# Altium PCB DeutschPCB.PcbDoc (part 1 of 2) (continued)
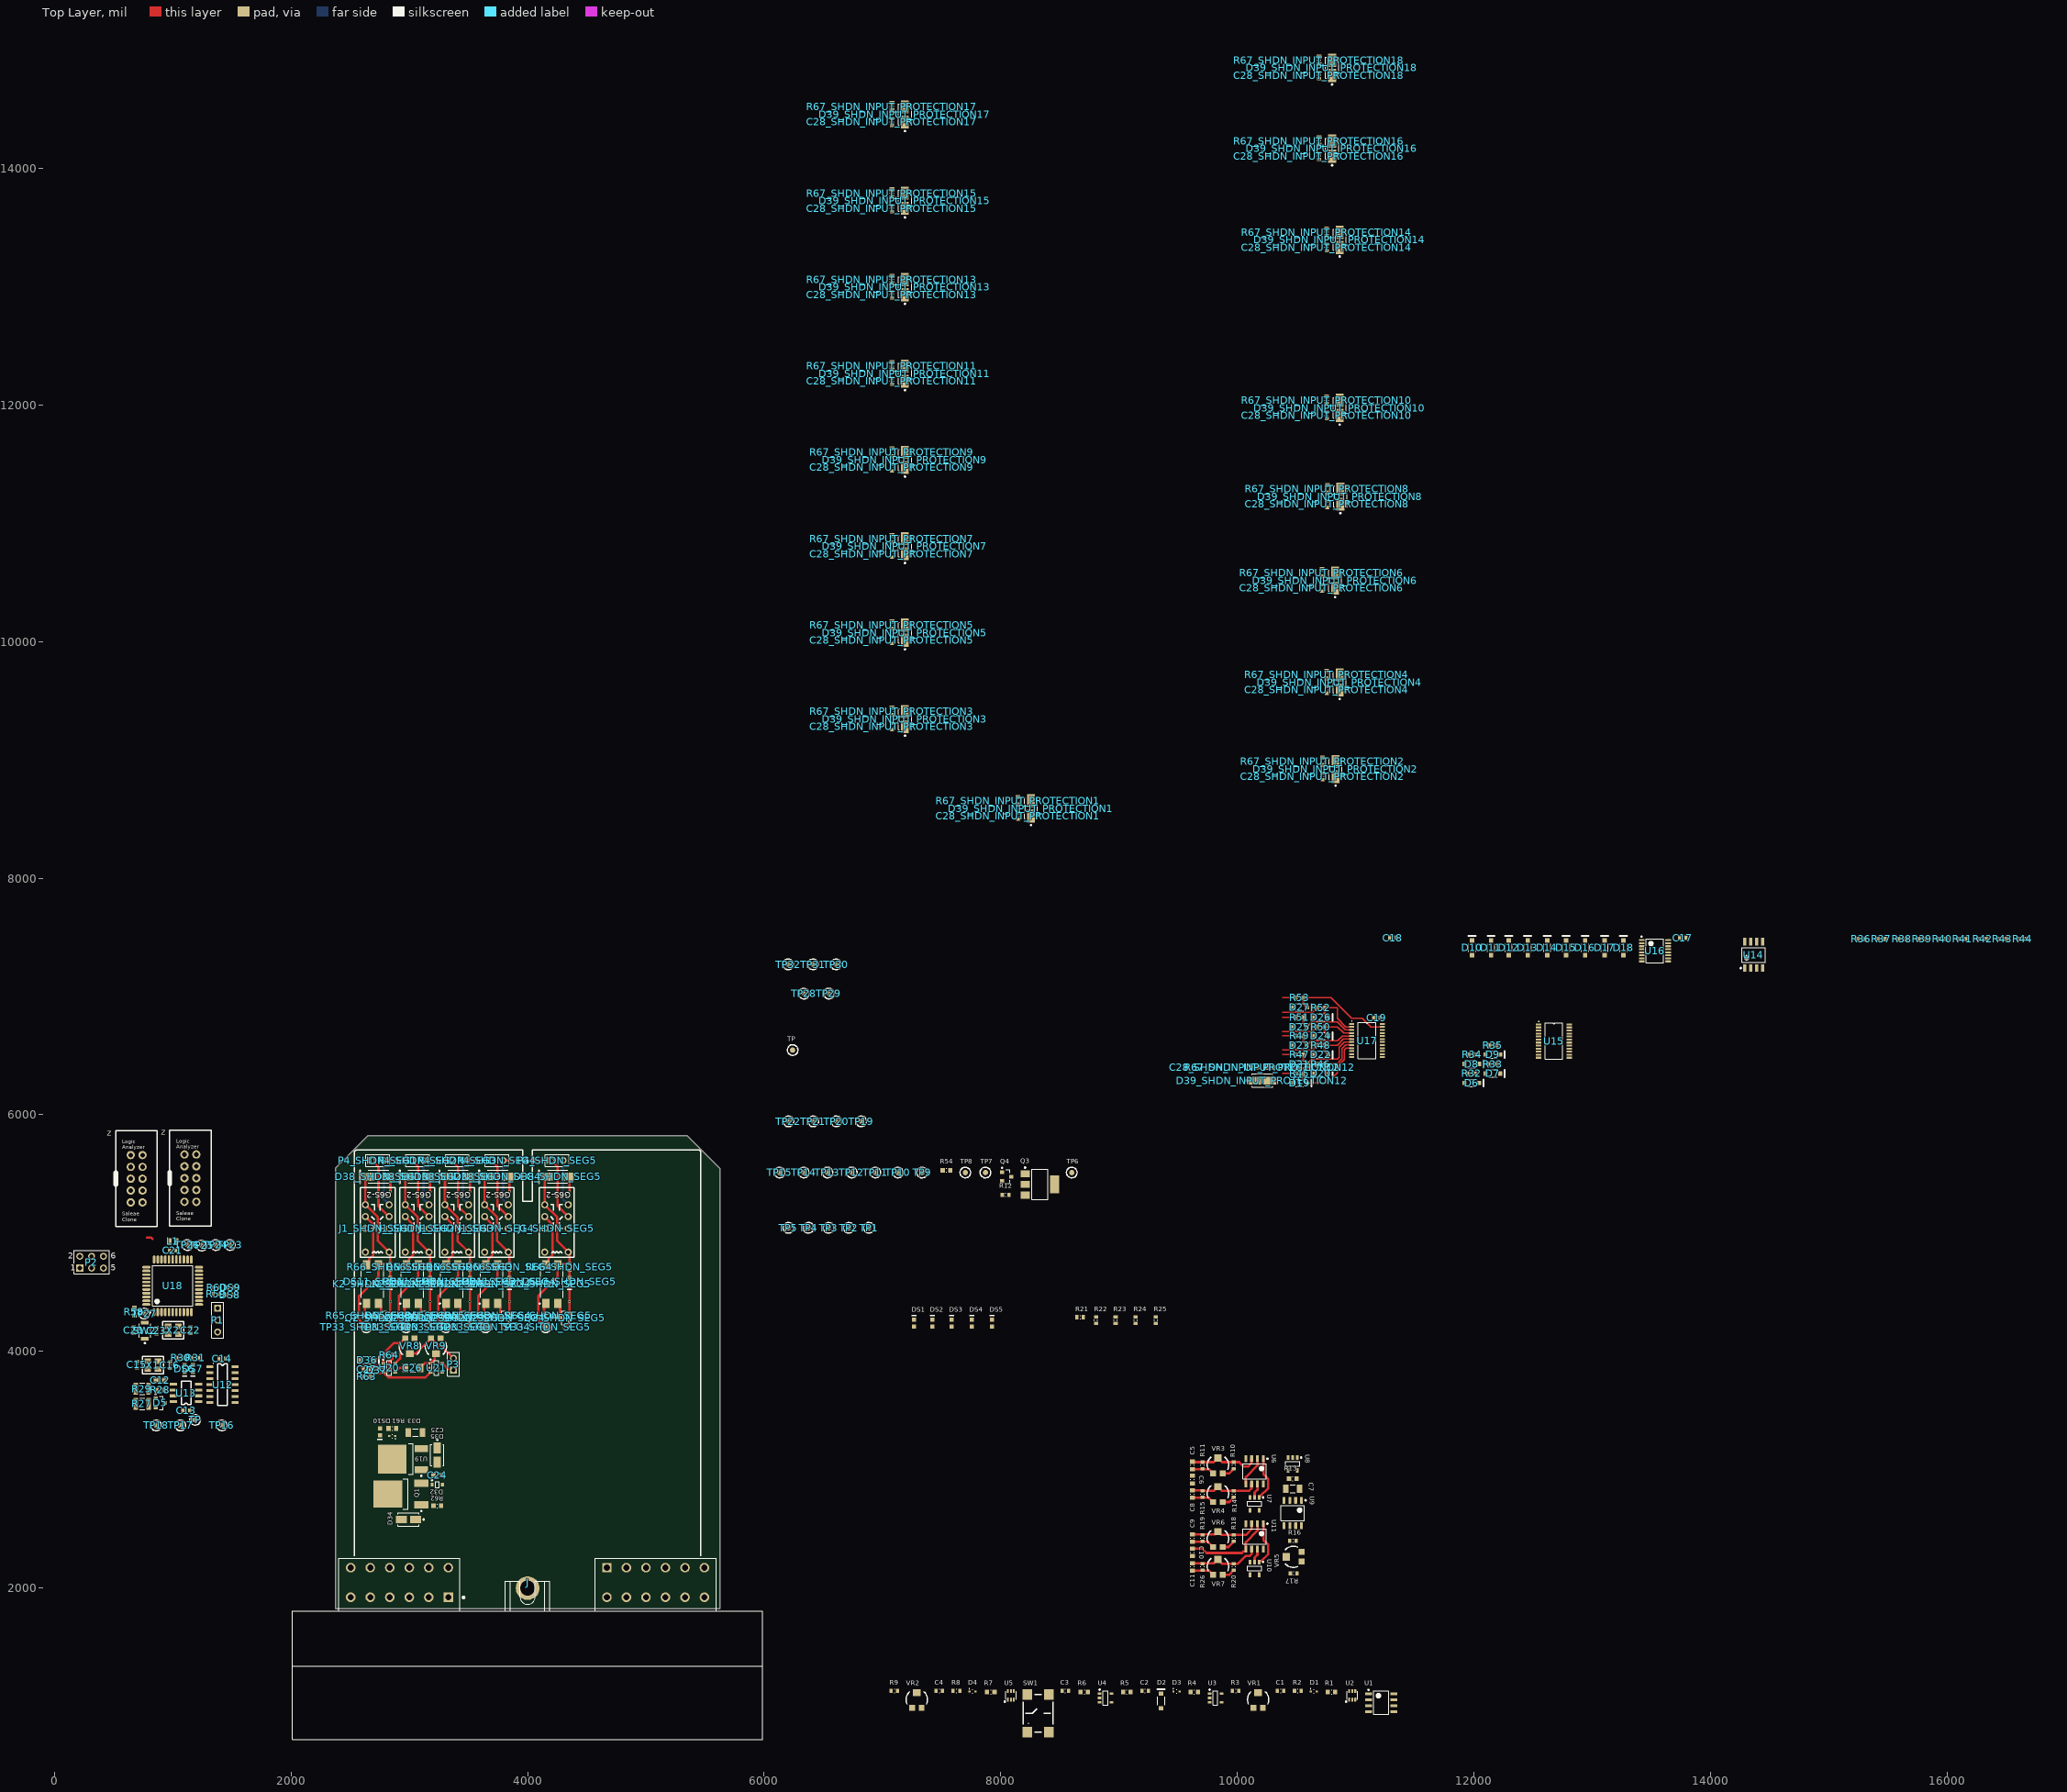
[diagram p0: Top Layer view]
## Components (designator, comment, footprint, x,y, rotation, side; value= is the part's Value field where it differs from the comment) (continued)
C28_SHDN_INPUT_PROTECTION15 "CAP 100nF 50V 0603(1608)" CAPC0603(1608)100_L 7080,13661.02 r270 top value=100nF (schematic designator C28)
C28_SHDN_INPUT_PROTECTION16 "CAP 100nF 50V 0603(1608)" CAPC0603(1608)100_L 10690,14102.05 r270 top value=100nF (schematic designator C28)
C28_SHDN_INPUT_PROTECTION17 "CAP 100nF 50V 0603(1608)" CAPC0603(1608)100_L 7080,14391.02 r270 top value=100nF (schematic designator C28)
C28_SHDN_INPUT_PROTECTION18 "CAP 100nF 50V 0603(1608)" CAPC0603(1608)100_L 10690,14785 r270 top value=100nF (schematic designator C28)
D1 "ESD5Z5.0T1G" ONSC-SOD-523-2-502-01_V 10645,1127.01 r0 top
D2 "BZT52C5V1-7-F" DIOD-SOD123_V 9355,1047.01 r90 top
D3 "ESD5Z5.0T1G" ONSC-SOD-523-2-502-01_V 9485,1127.01 r0 top
D4 "ESD5Z5.0T1G" ONSC-SOD-523-2-502-01_V 7760,1127.01 r0 top
D5 "NUP2105LT1G" ONSC-SOT-23-3-318-08_V 895,3565 r0 top
D6 "BZT52C5V1-7-F" DIOD-SOD123_V 11980,6269.13 r0 top
D7 "BZT52C5V1-7-F" DIOD-SOD123_V 12160,6350 r0 top
D8 "BZT52C5V1-7-F" DIOD-SOD123_V 11980,6429.13 r0 top
D9 "BZT52C5V1-7-F" DIOD-SOD123_V 12160,6510 r0 top
D10 "BZT52C5V1-7-F" DIOD-SOD123_V 11983.66,7411.5 r90 top
D11 "BZT52C5V1-7-F" DIOD-SOD123_V 12143.66,7411.5 r90 top
D12 "BZT52C5V1-7-F" DIOD-SOD123_V 12293.66,7411.5 r90 top
D13 "BZT52C5V1-7-F" DIOD-SOD123_V 12453.66,7411.5 r90 top
D14 "BZT52C5V1-7-F" DIOD-SOD123_V 12618.66,7411.5 r90 top
D15 "BZT52C5V1-7-F" DIOD-SOD123_V 12778.66,7411.5 r90 top
D16 "BZT52C5V1-7-F" DIOD-SOD123_V 12938.66,7411.5 r90 top
D17 "BZT52C5V1-7-F" DIOD-SOD123_V 13103.66,7411.5 r90 top
D18 "BZT52C5V1-7-F" DIOD-SOD123_V 13263.66,7411.5 r90 top
D19 "BZT52C5V1-7-F" DIOD-SOD123_V 10525.16,6269.13 r0 top
D20 "BZT52C5V1-7-F" DIOD-SOD123_V 10705,6349.13 r0 top
D21 "BZT52C5V1-7-F" DIOD-SOD123_V 10525.16,6429.13 r0 top
D22 "BZT52C5V1-7-F" DIOD-SOD123_V 10705.16,6509.13 r0 top
D23 "BZT52C5V1-7-F" DIOD-SOD123_V 10525.16,6589.13 r0 top
D24 "BZT52C5V1-7-F" DIOD-SOD123_V 10705.16,6667.09 r0 top
D25 "BZT52C5V1-7-F" DIOD-SOD123_V 10525.16,6744.13 r0 top
D26 "BZT52C5V1-7-F" DIOD-SOD123_V 10705.16,6824.13 r0 top
D27 "BZT52C5V1-7-F" DIOD-SOD123_V 10525.16,6909.13 r0 top
D32 "MM3Z10VT1G" ONSC-SOD-323-2-477-02_V 3236.26,2875.16 r0 top
D33 "ESD5Z5.0T1G" ONSC-SOD-523-2-502-01_V 2856.26,3285 r180 top
D34 "SMAJ18CA-E3/61" VISH-DO-214AC-2_N 2992.2,2580 r180 top
D35 "SMAJ18CA-E3/61" VISH-DO-214AC-2_N 3236.26,3125 r270 top
D36 "BZT52C5V1-7-F" DIOD-SOD123_V 2644.45,3926.65 r0 top
D37 "ESD5Z5.0T1G" ONSC-SOD-523-2-502-01_V 2724.45,3841.65 r270 top
D38_SHDN_SEG1 "S1M" FAIR-DO-214AC-2_V 2739.37,5477.44 r180 top (schematic designator D38)
D38_SHDN_SEG2 "S1M" FAIR-DO-214AC-2_V 3075.98,5477.44 r180 top (schematic designator D38)
D38_SHDN_SEG3 "S1M" FAIR-DO-214AC-2_V 3411.26,5477.44 r180 top (schematic designator D38)
D38_SHDN_SEG4 "S1M" FAIR-DO-214AC-2_V 3746.81,5477.44 r180 top (schematic designator D38)
D38_SHDN_SEG5 "S1M" FAIR-DO-214AC-2_V 4254.37,5477.44 r180 top (schematic designator D38)
D39_SHDN_INPUT_PROTECTION1 "SMAJ18CA-E3/61" VISH-DO-214AC-2_M 8255,8590 r90 top (schematic designator D39)
D39_SHDN_INPUT_PROTECTION2 "SMAJ18CA-E3/61" VISH-DO-214AC-2_M 10830,8922.56 r90 top (schematic designator D39)
D39_SHDN_INPUT_PROTECTION3 "SMAJ18CA-E3/61" VISH-DO-214AC-2_M 7190,9345 r90 top (schematic designator D39)
D39_SHDN_INPUT_PROTECTION4 "SMAJ18CA-E3/61" VISH-DO-214AC-2_M 10865,9655 r90 top (schematic designator D39)
D39_SHDN_INPUT_PROTECTION5 "SMAJ18CA-E3/61" VISH-DO-214AC-2_M 7190,10075 r90 top (schematic designator D39)
D39_SHDN_INPUT_PROTECTION6 "SMAJ18CA-E3/61" VISH-DO-214AC-2_M 10825,10516.02 r90 top (schematic designator D39)
D39_SHDN_INPUT_PROTECTION7 "SMAJ18CA-E3/61" VISH-DO-214AC-2_M 7190,10805 r90 top (schematic designator D39)
D39_SHDN_INPUT_PROTECTION8 "SMAJ18CA-E3/61" VISH-DO-214AC-2_M 10870,11225 r90 top (schematic designator D39)
D39_SHDN_INPUT_PROTECTION9 "SMAJ18CA-E3/61" VISH-DO-214AC-2_M 7190,11535 r90 top (schematic designator D39)
D39_SHDN_INPUT_PROTECTION10 "SMAJ18CA-E3/61" VISH-DO-214AC-2_M 10865,11975 r90 top (schematic designator D39)
D39_SHDN_INPUT_PROTECTION11 "SMAJ18CA-E3/61" VISH-DO-214AC-2_M 7190,12265 r90 top (schematic designator D39)
D39_SHDN_INPUT_PROTECTION12 "SMAJ18CA-E3/61" VISH-DO-214AC-2_M 10211.02,6290 r0 top (schematic designator D39)
D39_SHDN_INPUT_PROTECTION13 "SMAJ18CA-E3/61" VISH-DO-214AC-2_M 7190,12995 r90 top (schematic designator D39)
D39_SHDN_INPUT_PROTECTION14 "SMAJ18CA-E3/61" VISH-DO-214AC-2_M 10865,13395 r90 top (schematic designator D39)
D39_SHDN_INPUT_PROTECTION15 "SMAJ18CA-E3/61" VISH-DO-214AC-2_M 7190,13725 r90 top (schematic designator D39)
D39_SHDN_INPUT_PROTECTION16 "SMAJ18CA-E3/61" VISH-DO-214AC-2_M 10800,14166.02 r90 top (schematic designator D39)
D39_SHDN_INPUT_PROTECTION17 "SMAJ18CA-E3/61" VISH-DO-214AC-2_M 7190,14455 r90 top (schematic designator D39)
D39_SHDN_INPUT_PROTECTION18 "SMAJ18CA-E3/61" VISH-DO-214AC-2_M 10800,14848.98 r90 top (schematic designator D39)
DS1 "LED Red 0603" "LED RED 0603" 7265,4239.84 r90 top
DS2 "LED Red 0603" "LED RED 0603" 7420,4239.84 r90 top
DS3 "LED Red 0603" "LED RED 0603" 7585,4239.84 r90 top
DS4 "LED Red 0603" "LED RED 0603" 7755,4239.84 r90 top
DS5 "LED Red 0603" "LED RED 0603" 7925,4239.84 r90 top
DS6 "LED Blue 0603" "LED BLUE 0603" 1100,3855 r270 top
DS7 "LED Blue 0603" "LED BLUE 0603" 1170,3855 r270 top
DS8 "LED Orange 0603" "LED ORANGE 0603" 1485,4480 r0 top
DS9 "LED Orange 0603" "LED ORANGE 0603" 1490,4540 r0 top
DS10 "LED Green 0603" "LED GREEN 0603" 2751.26,3320 r270 top
DS11_SHDN_SEG1 "LED Orange 0603" "LED ORANGE 0603" 2839.37,4590 r270 top (schematic designator DS11)
DS11_SHDN_SEG2 "LED Orange 0603" "LED ORANGE 0603" 3175.98,4590 r270 top (schematic designator DS11)
DS11_SHDN_SEG3 "LED Orange 0603" "LED ORANGE 0603" 3511.26,4590 r270 top (schematic designator DS11)
DS11_SHDN_SEG4 "LED Orange 0603" "LED ORANGE 0603" 3846.81,4590 r270 top (schematic designator DS11)
DS11_SHDN_SEG5 "LED Orange 0603" "LED ORANGE 0603" 4354.37,4590 r270 top (schematic designator DS11)
J "DTM1312PA12PBR008" TE_DTM1312PA12PBR008 4000,2000 r0 top
J1_SHDN_SEG1 "G6S-2-DC12" G6S-2 2729.37,5090 r90 top (schematic designator J1)
J1_SHDN_SEG2 "G6S-2-DC12" G6S-2 3065.98,5090 r90 top (schematic designator J1)
J1_SHDN_SEG3 "G6S-2-DC12" G6S-2 3401.26,5090 r90 top (schematic designator J1)
J1_SHDN_SEG4 "G6S-2-DC12" G6S-2 3736.81,5090 r90 top (schematic designator J1)
J1_SHDN_SEG5 "G6S-2-DC12" G6S-2 4244.37,5090 r90 top (schematic designator J1)
K2_SHDN_SEG1 "AQY212EHA" PNSC-DIP4(SMT)_V 2689.37,4570 r90 top (schematic designator K2)
K2_SHDN_SEG2 "AQY212EHA" PNSC-DIP4(SMT)_V 3025.98,4570 r90 top (schematic designator K2)
K2_SHDN_SEG3 "AQY212EHA" PNSC-DIP4(SMT)_V 3361.26,4570 r90 top (schematic designator K2)
K2_SHDN_SEG4 "AQY212EHA" PNSC-DIP4(SMT)_V 3696.81,4570 r90 top (schematic designator K2)
K2_SHDN_SEG5 "AQY212EHA" PNSC-DIP4(SMT)_V 4204.37,4570 r90 top (schematic designator K2)
L1 "LQM21FN100M70L" MURA-IND0805_L 1000,4930 r180 top
P1 "Header 3" HDR1X3 1380,4365 r270 top
P2 "Header 3X2" HDR2X3 215,4705 r0 top
P3 "Header 2" HDR1X2 3374.45,3841.65 r90 top
P4_SHDN_SEG1 "Header 2" HDR1X2 2684.37,5615 r0 top (schematic designator P4)
P4_SHDN_SEG2 "Header 2" HDR1X2 3020.98,5615 r0 top (schematic designator P4)
P4_SHDN_SEG3 "Header 2" HDR1X2 3356.26,5615 r0 top (schematic designator P4)
P4_SHDN_SEG4 "Header 2" HDR1X2 3691.81,5615 r0 top (schematic designator P4)
P4_SHDN_SEG5 "Header 2" HDR1X2 4199.37,5615 r0 top (schematic designator P4)
Q1 "STD35P6LLF6" ONSC-DPAK-3-369C-01_V 2928.03,2795.16 r180 top
Q2_SHDN_SEG1 "NVR5198NLT1G" ONSC-SOT-23-3-318-08_V 2799.37,4285 r180 top (schematic designator Q2)
Q2_SHDN_SEG2 "NVR5198NLT1G" ONSC-SOT-23-3-318-08_V 3135.98,4285 r180 top (schematic designator Q2)
Q2_SHDN_SEG3 "NVR5198NLT1G" ONSC-SOT-23-3-318-08_V 3471.26,4285 r180 top (schematic designator Q2)
Q2_SHDN_SEG4 "NVR5198NLT1G" ONSC-SOT-23-3-318-08_V 3806.81,4285 r180 top (schematic designator Q2)
Q2_SHDN_SEG5 "NVR5198NLT1G" ONSC-SOT-23-3-318-08_V 4314.37,4285 r180 top (schematic designator Q2)
Q3 "NTF2955T1G" ONSC-SOT-223-4-318E-04_V 8330,5412.28 r0 top
Q4 "NVR5198NLT1G" ONSC-SOT-23-3-318-08_V 8050,5477.28 r0 top
R1 "4K7 5% 0603(1608)" RESC0603(1608)_N 10795,1122.01 r0 top value="4700.00 Ohm"
R2 "DNP" RESC0603(1608)_L 10510,1132.01 r0 top
R3 "DNP" RESC0603(1608)_L 9985,1132.01 r0 top
R4 "10K 5% 0603(1608)" RESC0603(1608)_N 9635,1122.01 r0 top value="10000.00 Ohm"
R5 "4K7 5% 0603(1608)" RESC0603(1608)_N 9065,1122.01 r0 top value="4700.00 Ohm"
R6 "4K7 5% 0603(1608)" RESC0603(1608)_N 8705,1122.01 r0 top value="4700.00 Ohm"
R7 "4K7 5% 0603(1608)" RESC0603(1608)_N 7915,1122.01 r0 top value="4700.00 Ohm"
R8 "DNP" RESC0603(1608)_L 7625,1132.01 r0 top
R9 "DNP" RESC0603(1608)_L 7100,1132.01 r0 top
R10 "DNP" RESC0603(1608)_L 9970,3037.28 r270 top
R11 "DNP" RESC0603(1608)_L 9705,3037.28 r90 top
R12 "1K 5% 0603(1608)" RESC0603(1608)_L 8040,5325 r0 top value="1000.00 Ohm"
R13 "68K 5% 0603(1608)" RESC0603(1608)_N 10467.28,2925 r0 top value="68000.00 Ohm"
R14 "DNP" RESC0603(1608)_L 9970,2794.78 r270 top
R15 "DNP" RESC0603(1608)_L 9705,2794.78 r90 top
R16 "DNP" RESC0603(1608)_L 10470,2400 r0 top
R17 "DNP" RESC0603(1608)_L 10475,2125 r180 top
R18 "DNP" RESC0603(1608)_L 9970,2422.28 r270 top
R19 "DNP" RESC0603(1608)_L 9705,2422.28 r90 top
R20 "DNP" RESC0603(1608)_L 9970,2179.78 r270 top
R21 "1K 5% 0603(1608)" RESC0603(1608)_L 8670,4289.84 r0 top value="1000.00 Ohm"
R22 "1K 5% 0603(1608)" RESC0603(1608)_L 8805,4264.84 r90 top value="1000.00 Ohm"
R23 "1K 5% 0603(1608)" RESC0603(1608)_L 8970,4264.84 r90 top value="1000.00 Ohm"
R24 "1K 5% 0603(1608)" RESC0603(1608)_L 9140,4264.84 r90 top value="1000.00 Ohm"
R25 "1K 5% 0603(1608)" RESC0603(1608)_L 9310,4264.84 r90 top value="1000.00 Ohm"
R26 "DNP" RESC0603(1608)_L 9705,2179.78 r90 top
R27 "60R4 1% 1210(3225)" RESC1210(3225)_L 742.01,3557.6 r180 top value="60.40 Ohm"
R28 "300R 5% 0603(1608)" RESC0603(1608)_N 895,3675 r180 top value="300.00 Ohm"
R29 "60R4 1% 1210(3225)" RESC1210(3225)_L 742.01,3685 r0 top value="60.40 Ohm"
R30 "1K 5% 0603(1608)" RESC0603(1608)_L 1070,3945 r180 top value="1000.00 Ohm"
R31 "1K 5% 0603(1608)" RESC0603(1608)_L 1195,3945 r0 top value="1000.00 Ohm"
R32 "10K" RESC0603(1608)_N 11980,6349.13 r0 top value="10000.00 Ohm"
R33 "10K" RESC0603(1608)_N 12160,6429.13 r0 top value="10000.00 Ohm"
R34 "10K" RESC0603(1608)_N 11985,6508.23 r0 top value="10000.00 Ohm"
R35 "10K" RESC0603(1608)_N 12160,6587.36 r0 top value="10000.00 Ohm"
R36 "10K" RESC0603(1608)_N 15273.66,7486.5 r0 top value="10000.00 Ohm"
R37 "10K" RESC0603(1608)_N 15443.66,7486.5 r0 top value="10000.00 Ohm"
R38 "10K" RESC0603(1608)_N 15618.66,7486.5 r0 top value="10000.00 Ohm"
R39 "10K" RESC0603(1608)_N 15788.66,7486.5 r0 top value="10000.00 Ohm"
R40 "10K" RESC0603(1608)_N 15958.66,7486.5 r0 top value="10000.00 Ohm"
R41 "10K" RESC0603(1608)_N 16128.66,7486.5 r0 top value="10000.00 Ohm"
R42 "10K" RESC0603(1608)_N 16298.66,7486.5 r0 top value="10000.00 Ohm"
R43 "10K" RESC0603(1608)_N 16468.66,7486.5 r0 top value="10000.00 Ohm"
R44 "10K" RESC0603(1608)_N 16638.66,7486.5 r0 top value="10000.00 Ohm"
R45 "10K" RESC0603(1608)_N 10525.16,6349.13 r0 top value="10000.00 Ohm"
R46 "10K" RESC0603(1608)_N 10705,6429.13 r0 top value="10000.00 Ohm"
R47 "10K" RESC0603(1608)_N 10525.16,6509.13 r0 top value="10000.00 Ohm"
R48 "10K" RESC0603(1608)_N 10705.16,6589.13 r0 top value="10000.00 Ohm"
R49 "10K" RESC0603(1608)_N 10525.16,6667.09 r0 top value="10000.00 Ohm"
R50 "10K" RESC0603(1608)_N 10705.16,6744.13 r0 top value="10000.00 Ohm"
R51 "10K" RESC0603(1608)_N 10525.16,6824.13 r0 top value="10000.00 Ohm"
R52 "10K" RESC0603(1608)_N 10705.16,6904.13 r0 top value="10000.00 Ohm"
R53 "10K" RESC0603(1608)_N 10525.16,6989.13 r0 top value="10000.00 Ohm"
R54 "4K7 5% 0603(1608)" RESC0603(1608)_N 7540,5532.28 r0 top value="4700.00 Ohm"
R58 "10K 5% 0603(1608)" RESC0603(1608)_N 675,4336.5 r90 top value="10000.00 Ohm"
R59 "1K 5% 0603(1608)" RESC0603(1608)_L 1370,4485 r180 top value="1000.00 Ohm"
R60 "1K 5% 0603(1608)" RESC0603(1608)_L 1372.44,4540 r180 top value="1000.00 Ohm"
R61 "1K 5% 0603(1608)" RESC0603(1608)_N 2856.26,3350 r0 top value="1000.00 Ohm"
R62 "100K 5% 0603(1608)" RESC0603(1608)_N 3236.26,2695 r180 top value="100000.00 Ohm"
R63 "10K 5% 0603(1608)" RESC0603(1608)_N 2639.45,3786.65 r0 top value="10000.00 Ohm"
R64 "4K7 5% 0603(1608)" RESC0603(1608)_N 2829.45,3971.65 r180 top value="4700.00 Ohm"
R65_SHDN_SEG1 "2K7 5% 0603(1608)" RESC0603(1608)_M 2659.37,4305 r180 top value="2700.00 Ohm" (schematic designator R65)
R65_SHDN_SEG2 "2K7 5% 0603(1608)" RESC0603(1608)_M 2995.98,4305 r180 top value="2700.00 Ohm" (schematic designator R65)
R65_SHDN_SEG3 "2K7 5% 0603(1608)" RESC0603(1608)_M 3331.26,4305 r180 top value="2700.00 Ohm" (schematic designator R65)
R65_SHDN_SEG4 "2K7 5% 0603(1608)" RESC0603(1608)_M 3666.81,4305 r180 top value="2700.00 Ohm" (schematic designator R65)
R65_SHDN_SEG5 "2K7 5% 0603(1608)" RESC0603(1608)_M 4174.37,4305 r180 top value="2700.00 Ohm" (schematic designator R65)
R66_SHDN_SEG1 "1K 5% 0603(1608)" RESC0603(1608)_L 2839.37,4715 r90 top value="1000.00 Ohm" (schematic designator R66)
R66_SHDN_SEG2 "1K 5% 0603(1608)" RESC0603(1608)_L 3175.98,4715 r90 top value="1000.00 Ohm" (schematic designator R66)
R66_SHDN_SEG3 "1K 5% 0603(1608)" RESC0603(1608)_L 3511.26,4715 r90 top value="1000.00 Ohm" (schematic designator R66)
R66_SHDN_SEG4 "1K 5% 0603(1608)" RESC0603(1608)_L 3846.81,4715 r90 top value="1000.00 Ohm" (schematic designator R66)
R66_SHDN_SEG5 "1K 5% 0603(1608)" RESC0603(1608)_L 4354.37,4715 r90 top value="1000.00 Ohm" (schematic designator R66)
R67_SHDN_INPUT_PROTECTION1 "4K7 5% 0603(1608)" RESC0603(1608)_N 8145,8653.98 r270 top value="4700.00 Ohm" (schematic designator R67)
R67_SHDN_INPUT_PROTECTION2 "4K7 5% 0603(1608)" RESC0603(1608)_N 10720,8986.54 r270 top value="4700.00 Ohm" (schematic designator R67)
R67_SHDN_INPUT_PROTECTION3 "4K7 5% 0603(1608)" RESC0603(1608)_N 7080,9408.98 r270 top value="4700.00 Ohm" (schematic designator R67)
R67_SHDN_INPUT_PROTECTION4 "4K7 5% 0603(1608)" RESC0603(1608)_N 10755,9718.98 r270 top value="4700.00 Ohm" (schematic designator R67)
R67_SHDN_INPUT_PROTECTION5 "4K7 5% 0603(1608)" RESC0603(1608)_N 7080,10138.98 r270 top value="4700.00 Ohm" (schematic designator R67)
R67_SHDN_INPUT_PROTECTION6 "4K7 5% 0603(1608)" RESC0603(1608)_N 10715,10580 r270 top value="4700.00 Ohm" (schematic designator R67)
R67_SHDN_INPUT_PROTECTION7 "4K7 5% 0603(1608)" RESC0603(1608)_N 7080,10868.98 r270 top value="4700.00 Ohm" (schematic designator R67)
R67_SHDN_INPUT_PROTECTION8 "4K7 5% 0603(1608)" RESC0603(1608)_N 10760,11288.98 r270 top value="4700.00 Ohm" (schematic designator R67)
R67_SHDN_INPUT_PROTECTION9 "4K7 5% 0603(1608)" RESC0603(1608)_N 7080,11598.98 r270 top value="4700.00 Ohm" (schematic designator R67)
R67_SHDN_INPUT_PROTECTION10 "4K7 5% 0603(1608)" RESC0603(1608)_N 10755,12038.98 r270 top value="4700.00 Ohm" (schematic designator R67)
R67_SHDN_INPUT_PROTECTION11 "4K7 5% 0603(1608)" RESC0603(1608)_N 7080,12328.98 r270 top value="4700.00 Ohm" (schematic designator R67)
R67_SHDN_INPUT_PROTECTION12 "4K7 5% 0603(1608)" RESC0603(1608)_N 10275,6400 r180 top value="4700.00 Ohm" (schematic designator R67)
R67_SHDN_INPUT_PROTECTION13 "4K7 5% 0603(1608)" RESC0603(1608)_N 7080,13058.98 r270 top value="4700.00 Ohm" (schematic designator R67)
R67_SHDN_INPUT_PROTECTION14 "4K7 5% 0603(1608)" RESC0603(1608)_N 10755,13458.98 r270 top value="4700.00 Ohm" (schematic designator R67)
R67_SHDN_INPUT_PROTECTION15 "4K7 5% 0603(1608)" RESC0603(1608)_N 7080,13788.98 r270 top value="4700.00 Ohm" (schematic designator R67)
R67_SHDN_INPUT_PROTECTION16 "4K7 5% 0603(1608)" RESC0603(1608)_N 10690,14230 r270 top value="4700.00 Ohm" (schematic designator R67)
R67_SHDN_INPUT_PROTECTION17 "4K7 5% 0603(1608)" RESC0603(1608)_N 7080,14518.98 r270 top value="4700.00 Ohm" (schematic designator R67)
R67_SHDN_INPUT_PROTECTION18 "4K7 5% 0603(1608)" RESC0603(1608)_N 10690,14912.95 r270 top value="4700.00 Ohm" (schematic designator R67)
SW1 "Standard SMD BTN" StandardSMDBTN 8315,942.01 r90 top
SW2 "B3U-1000P" OMRON-B3U-1000_V 765,4175 r90 top
TP "TestPoint_SMD" TestPointSMD 6240,6547.28 r0 top
TP "TestPoint_SMD" TestPointSMD 1190,3422.28 r0 top
TP1 "TestPoint_SMD" TestPointSMD 6885,5045 r0 top
TP2 "TestPoint_SMD" TestPointSMD 6715,5045 r0 top
TP3 "TestPoint_SMD" TestPointSMD 6545,5045 r0 top
TP4 "TestPoint_SMD" TestPointSMD 6375,5045 r0 top
TP5 "TestPoint_SMD" TestPointSMD 6205,5045 r0 top
TP6 "TestPoint_SMD" TestPointSMD 8600,5512.28 r0 top
TP7 "TestPoint_SMD" TestPointSMD 7870,5512.28 r0 top
TP8 "TestPoint_SMD" TestPointSMD 7700,5512.28 r0 top
TP9 "TestPoint_SMD" TestPointSMD 7335,5512.28 r0 top
TP10 "TestPoint_SMD" TestPointSMD 7130,5512.28 r0 top
TP11 "TestPoint_SMD" TestPointSMD 6940,5512.28 r0 top
TP12 "TestPoint_SMD" TestPointSMD 6740,5512.28 r0 top
TP13 "TestPoint_SMD" TestPointSMD 6535,5512.28 r0 top
TP14 "TestPoint_SMD" TestPointSMD 6335,5512.28 r0 top
TP15 "TestPoint_SMD" TestPointSMD 6130,5512.28 r0 top
TP16 "TestPoint_SMD" TestPointSMD 1415,3375 r0 top
TP17 "TestPoint_SMD" TestPointSMD 1065,3375 r0 top
TP18 "TestPoint_SMD" TestPointSMD 860,3375 r0 top
TP19 "TestPoint_SMD" TestPointSMD 6820,5945 r0 top
TP20 "TestPoint_SMD" TestPointSMD 6610,5945 r0 top
TP21 "TestPoint_SMD" TestPointSMD 6415,5945 r0 top
TP22 "TestPoint_SMD" TestPointSMD 6205,5945 r0 top
TP23 "TestPoint_SMD" TestPointSMD 1485,4900 r90 top
TP24 "TestPoint_SMD" TestPointSMD 1365,4900 r90 top
TP25 "TestPoint_SMD" TestPointSMD 1245,4895 r90 top
TP26 "TestPoint_SMD" TestPointSMD 1125,4900 r90 top
TP27 "TestPoint_SMD" TestPointSMD 760,4320 r90 top
TP28 "TestPoint_SMD" TestPointSMD 6336.26,7025 r0 top
TP29 "TestPoint_SMD" TestPointSMD 6546.26,7025 r0 top
TP30 "TestPoint_SMD" TestPointSMD 6607.44,7271.65 r0 top
TP31 "TestPoint_SMD" TestPointSMD 6412.44,7271.65 r0 top
TP32 "TestPoint_SMD" TestPointSMD 6202.44,7271.65 r0 top
TP33_SHDN_SEG1 "TestPoint_SMD" TestPointSMD 2635,4205 r90 top (schematic designator TP33)
TP33_SHDN_SEG2 "TestPoint_SMD" TestPointSMD 2971.61,4205 r90 top (schematic designator TP33)
TP33_SHDN_SEG3 "TestPoint_SMD" TestPointSMD 3306.89,4205 r90 top (schematic designator TP33)
TP33_SHDN_SEG4 "TestPoint_SMD" TestPointSMD 3642.44,4205 r90 top (schematic designator TP33)
TP33_SHDN_SEG5 "TestPoint_SMD" TestPointSMD 4150,4205 r90 top (schematic designator TP33)
U1 "LM358AM" D0008A_N 11215,1032.01 r0 top
U2 "NC7SZ157P6X" FAIR-SC70-6_V 10945,1057.01 r0 top
U3 "SN74LVC1G17DBVR" DBV0005A_L 9815,1072.01 r0 top
U4 "SN74AHC1G14DBVR" DBV0005A_L 8885,1072.01 r0 top
U5 "NC7SZ157P6X" FAIR-SC70-6_V 8060,1057.01 r0 top
U6 "LM358AM" D0008A_N 10145,2987.13 r270 top
U7 "SN74AHC1G08DBVR" DBV0005A_N 10145.1,2712.28 r270 top
U8 "SN74AHC1G08DBVR" DBV0005A_N 10467.28,3050 r270 top
U9 "LM358AM" D0008A_N 10467.28,2635 r270 top
U10 "SN74AHC1G08DBVR" DBV0005A_N 10145.1,2166.94 r270 top
U11 "LM358AM" D0008A_N 10145,2437.28 r270 top
U12 "MCP2518FD" "MCP2517FD SOIC" 1315,3870 r0 top
U13 "MCP2561" "MCP2561 SOIC" 1220,3575 r180 top
U14 "LM358AM" D0008A_M 14363.66,7351.5 r90 top
U15 "74HC4067" "74HC4067 TSSOP24" 12545,6764.13 r0 top
U16 "SN74HC595PWR" PW0016A_L 13528.66,7386.5 r0 top
U17 "74HC4067" "74HC4067 TSSOP24" 10965.16,6768.54 r0 top
U18 "ATmega1284P-AU" 44A_N 1000,4555 r90 top
U19 "L78M05CDT" STM-TO252-3_A_V 2946.26,3090 r180 top
U20 "SN74AHC1G02DBVR" DBV0005A_L 2830.43,3861.65 r0 top
U21 "SN74AHC1G02DBVR" DBV0005A_L 3229.45,3861.65 r0 top
VR1 "4.7k Variable Resistor" VG039NCHXTB472 10175,1057.01 r0 top
VR2 "4.7k Variable Resistor" VG039NCHXTB472 7290,1057.01 r0 top
VR3 "4.7k Variable Resistor" VG039NCHXTB472 9835,3039.78 r0 top
VR4 "4.7k Variable Resistor" VG039NCHXTB472 9835,2797.28 r0 top
VR5 "4.7k Variable Resistor" VG039NCHXTB472 10472.72,2265 r90 top
VR6 "4.7k Variable Resistor" VG039NCHXTB472 9835,2417.28 r0 top
VR7 "4.7k Variable Resistor" VG039NCHXTB472 9835,2182.28 r0 top
VR8 "500k Variable Resistor" VG039NCHXTB472 3004.45,4041.65 r180 top
VR9 "4.7k Variable Resistor" VG039NCHXTB472 3224.45,4041.65 r180 top
X1 "XTAL_20Mz_3.2mm*2.5mm" 3.2mm*2.5mm 832.52,3885 r0 top
X2 "XTAL_16Mz_3.2mm*2.5mm" 3.2mm*2.5mm 1005,4180 r180 top
Z "LogicAnalyzerBreakOut" LogicAnalyzer 695,5460 r0 top
Z "LogicAnalyzerBreakOut" LogicAnalyzer 1150,5465 r0 top

## Footprints (in the part's own frame and the unit in brackets; to place one, negate y for a bottom-side part, rotate by r counter-clockwise, add the part's x,y. Pads: shape width x height; smd on the part's side, far side on the other; paste and mask are expansions set on the pad)
3.2mm*2.5mm [mm]
  rect 1.4x1.2 smd: 1(-1.1,-0.85) 2(1.1,-0.85) 3(1.1,0.85) 4(-1.1,0.85)
  silkscreen extent -2.29,-1.91 2.29,1.91, body extent -1.6,-1.25 1.6,1.25, height 0.8
44A_N [mm] "Thin QFP, 44-Leads, Body 10x10mm, Pitch 0.8mm, IPC Medium Density"
  oval 1.75x0.55 smd: 1(-5.65,4) 2(-5.65,3.2) 3(-5.65,2.4) 4(-5.65,1.6) 5(-5.65,0.8) 6(-5.65,0) 7(-5.65,-0.8) 8(-5.65,-1.6) 9(-5.65,-2.4) 10(-5.65,-3.2) 11(-5.65,-4) 23(5.65,-4) 24(5.65,-3.2) 25(5.65,-2.4) 26(5.65,-1.6) 27(5.65,-0.8) 28(5.65,0) 29(5.65,0.8) 30(5.65,1.6) 31(5.65,2.4) 32(5.65,3.2) 33(5.65,4)
  oval 0.55x1.75 smd: 12(-4,-5.65) 13(-3.2,-5.65) 14(-2.4,-5.65) 15(-1.6,-5.65) 16(-0.8,-5.65) 17(0,-5.65) 18(0.8,-5.65) 19(1.6,-5.65) 20(2.4,-5.65) 21(3.2,-5.65) 22(4,-5.65) 34(4,5.65) 35(3.2,5.65) 36(2.4,5.65) 37(1.6,5.65) 38(0.8,5.65) 39(0,5.65) 40(-0.8,5.65) 41(-1.6,5.65) 42(-2.4,5.65) 43(-3.2,5.65) 44(-4,5.65)
  silkscreen extent -5.77,-4.35 4.35,4.95, body extent -5,-5 5,5, height 1.2
"74HC4067 TSSOP24" [mil]
  rect 45x16 smd: 1(0,0) 2(0,-25.59) 3(0,-51.18) 4(0,-76.77) 5(0,-102.36) 6(0,-127.95) 7(0,-153.54) 8(0,-179.13) 9(0,-204.72) 10(0,-230.32) 11(0,-255.91) 12(0,-281.5) 13(259.84,-281.5) 14(259.84,-255.91) 15(259.84,-230.32) 16(259.84,-204.72) 17(259.84,-179.13) 18(259.84,-153.54) 19(259.84,-127.95) 20(259.84,-102.36) 21(259.84,-76.77) 22(259.84,-51.18) 23(259.84,-25.59) 24(259.84,0)
  silkscreen extent 0,-294 205,25, body extent 4,-295 256,12, height 41
CAPC0603(1608)100_L [mm] "Chip Capacitor, Body 1.6x0.8mm, Height 1.0mm, IPC High Density"
  rect 0.7x0.9 smd: 1(-0.7,0) 2(0.7,0)
  silkscreen extent -0.05,-0.35 0.05,0.35, body extent -0.87,-0.47 0.88,0.48, height 1
CAPC0603(1608)100_M [mm] "Chip Capacitor, Body 1.6x0.8mm, Height 1.0mm, IPC Low Density"
  rect 1.1x1.1 smd: 1(-0.9,0) 2(0.9,0)
  silkscreen extent -0.05,-0.45 0.05,0.45, body extent -0.87,-0.47 0.88,0.48, height 1
CAPC0603(1608)100_N [mm] "Chip Capacitor, Body 1.6x0.8mm, Height 1.0mm, IPC Medium Density"
  rect 0.9x1 smd: 1(-0.8,0) 2(0.8,0)
  silkscreen extent -0.05,-0.4 0.05,0.4, body extent -0.87,-0.48 0.88,0.47, height 1
CAPC1206(3216)190_M [mm] "Chip Capacitor, Body 3.2x1.6mm, Height 1.9mm, IPC Low Density"
  rect 1.35x1.9 smd: 1(-1.6,0) 2(1.6,0)
  silkscreen extent -0.55,-0.85 0.55,0.85, body extent -1.7,-0.9 1.7,0.9, height 1.9
CAPC1206(3216)190_N [mm] "Chip Capacitor, Body 3.2x1.6mm, Height 1.9mm, IPC Medium Density"
  rect 1.15x1.8 smd: 1(-1.5,0) 2(1.5,0)
  silkscreen extent -0.55,-0.8 0.55,0.8, body extent -1.7,-0.9 1.7,0.9, height 1.9
D0008A_M [mm] "SOIC, 8-Leads, Body 5x4mm, Pitch 1.27mm, IPC Low Density"
  rrect15% 1.65x0.65 smd: 1(-2.825,1.905) 2(-2.825,0.635) 3(-2.825,-0.635) 4(-2.825,-1.905) 5(2.825,-1.905) 6(2.825,-0.635) 7(2.825,0.635) 8(2.825,1.905)
  silkscreen extent -2.95,-2.5 1.6,2.9, body extent -3,-2.45 3,2.45, height 1.63
D0008A_N [mm] "SOIC, 8-Leads, Body 5x4mm, Pitch 1.27mm, IPC Medium Density"
  rrect17% 1.45x0.6 smd: 1(-2.725,1.905) 2(-2.725,0.635) 3(-2.725,-0.635) 4(-2.725,-1.905) 5(2.725,-1.905) 6(2.725,-0.635) 7(2.725,0.635) 8(2.725,1.905)
  silkscreen extent -2.85,-2.5 1.6,2.88, body extent -3,-2.45 3,2.45, height 1.63
DBV0005A_L [mm] "SOT23, 5-Leads, Body 3.05x1.75mm, Pitch 0.95mm, IPC High Density"
  rrect18% 0.8x0.55 smd: 1(-1.275,0.95) 2(-1.275,0) 3(-1.275,-0.95) 4(1.275,-0.95) 5(1.275,0.95)
  silkscreen extent -1.4,-1.55 0.5,1.9, body extent -1.42,-1.46 1.42,1.46, height 1.08
DBV0005A_N [mm] "SOT23, 5-Leads, Body 3.05x1.75mm, Pitch 0.95mm, IPC Medium Density"
  rrect17% 1x0.6 smd: 1(-1.375,0.95) 2(-1.375,0) 3(-1.375,-0.95) 4(1.375,-0.95) 5(1.375,0.95)
  silkscreen extent -1.5,-1.55 0.5,1.93, body extent -1.42,-1.46 1.42,1.46, height 1.08
DIOD-SOD123_V [mm] "SMD, 2-Leads, Body 2.7x1.55mm"
  rect 0.9x0.95 smd: 1(-1.575,0) 2(1.575,0)
  silkscreen extent -0.86,-0.77 2.52,0.77, body extent -1.35,-0.77 1.35,0.77, height 1.41
FAIR-DO-214AC-2_V [mm] "DO-214, 2-Leads, Body 4.375x2.725mm"
  rect 2.65x1.75 smd: 1(-2.15,0) 2(2.15,0)
  silkscreen extent -2.19,-1.36 3.98,1.36, body extent -2.19,-1.36 2.19,1.36, height 2.5
FAIR-SC70-6_V [mm] "SC70, 6-Leads, Body 2x1.25mm, Pitch 0.65mm"
  rrect50% 0.4x0.85 smd: 1(0,0) 2(0.65,0) 3(1.3,0) 4(1.3,1.85) 5(0.65,1.85) 6(0,1.85)
  silkscreen extent -0.8,-0.55 1.8,1.85, body extent -0.43,-0.38 1.73,2.22, height 1.1
G6S-2 [mil]
  round 60 hole 35: 1(-250,-100) 3(-50,-100) 4(50,-100) 5(150,-100) 8(150,100) 9(50,100) 10(-50,100) 12(-250,100)
  silkscreen extent -295,-150 295,145, body extent -291,-145 291,142, height 362
HDR1X2 [mm] "Connector; Header; 2 Position"
  rect 1.5x1.5 hole 0.9: 1(0,0)
  round 1.5 hole 0.9: 2(2.54,0)
  silkscreen extent -1.27,-1.27 3.81,1.27
HDR1X3 [mm] "Connector; Header; 3 Position"
  rect 1.5x1.5 hole 0.9: 1(0,0)
  round 1.5 hole 0.9: 2(2.54,0) 3(5.08,0)
  silkscreen extent -1.27,-1.27 6.35,1.27
HDR2X3 [mm] "Connector; Header; 3x2 Position"
  rect 1.5x1.5 hole 0.9: 1(0,0)
  round 1.5 hole 0.9: 2(0,2.54) 3(2.54,0) 4(2.54,2.54) 5(5.08,0) 6(5.08,2.54)
  silkscreen extent -1.27,-1.27 6.35,3.81
"LED BLUE 0603" [mil]
  rect 35x35 smd: 1(-30,0) 2(30,0)
  silkscreen extent 65,-20 65,20, body extent -40,-20 40,20, height 30
"LED GREEN 0603" [mil]
  rect 35x35 smd: 1(-30,0) 2(30,0)
  silkscreen extent 65,-20 65,20, body extent -40,-20 40,20, height 30
"LED ORANGE 0603" [mil]
  rect 35x35 smd: 1(-30,0) 2(30,0)
  silkscreen extent 65,-20 65,20, body extent -40,-20 40,20, height 30
"LED RED 0603" [mil]
  rect 35x35 smd: 1(-30,0) 2(30,0)
  silkscreen extent 65,-20 65,20, body extent -40,-20 40,20, height 30
LogicAnalyzer [mil]
  round 70 hole 40: 1(-50,200) 2(50,200) 3(-50,100) 4(50,100) 5(-50,0) 6(50,0) 7(-50,-100) 8(50,-100) 9(-50,-200) 10(50,-200)
  silkscreen extent -175,-405 175,405, body extent -175,-404 175,404, height 359
"MCP2517FD SOIC" [mm]
  rect 1.5x0.6 smd: 1(0,0) 2(0,-1.27) 3(0,-2.54) 4(0,-3.81) 5(0,-5.08) 6(0,-6.35) 7(0,-7.62) 8(5.4,-7.62) 9(5.4,-6.35) 10(5.4,-5.08) 11(5.4,-3.81) 12(5.4,-2.54) 13(5.4,-1.27) 14(5.4,0)
  silkscreen extent 0.64,-8.25 3.76,0.76, body extent 0.74,-8.13 4.64,0.52, height 1.74
"MCP2561 SOIC" [mm]
  rect 1.55x0.6 smd: 1(0,0) 2(0,-1.27) 3(0,-2.54) 4(0,-3.81) 5(5.4,-3.81) 6(5.4,-2.54) 7(5.4,-1.27) 8(5.4,0)
  silkscreen extent 1.02,-4.44 3.74,1.14, body extent 0.51,-4.38 4.64,0.52, height 1.65
MURA-IND0805_L [mm] "Chip Inductor, 2-Leads, Body 2.2x1.45mm, IPC High Density"
  rect 0.99x1.39 smd: 1(-0.755,0) 2(0.755,0)
  body extent -1.1,-0.72 1.1,0.72, height 1.45
OMRON-B3U-1000_V [mm] "SMD, 2-Leads, Body 3x2.5mm"
  rect 0.8x1.7 smd: 1(-1.7,0) 2(1.7,0)
  silkscreen extent -2.77,-1.25 1.5,1.25, body extent -1.5,-1.25 1.5,1.25, height 1.75
ONSC-DPAK-3-369C-01_V [mm] "DPAK, 3-Leads, Body 6.54x6.095mm, Pitch 2.29mm"
  rect 3x1.6 smd: 1(-4.4,2.29) 3(-4.4,-2.29)
  rect 6.2x5.8 smd: 4(2.8,0)
  silkscreen extent -4.53,-3.27 -0.45,3.76, body extent -1.6,-3.27 4.49,3.27, height 2.38
ONSC-SOD-323-2-477-02_V [mm] "SOD, 2-Leads, Body 1.7x1.25mm"
  rect 0.63x0.83 smd: 1(-1.115,0) 2(1.115,0)
  silkscreen extent -1.24,-0.67 0.4,1.09, body extent -0.85,-0.63 0.85,0.63, height 1.06
ONSC-SOD-523-2-502-01_V [mm] "SOD, 2-Leads, Body 1.2x0.8mm"
  rect 0.48x0.4 smd: 1(-0.66,0) 2(0.66,0)
  silkscreen extent -0.75,-0.4 0.07,0.65, body extent -0.6,-0.4 0.6,0.4, height 0.7
ONSC-SOT-23-3-318-08_V [mm] "SOT23, 3-Leads, Body 2.92x1.3mm, Pitch 0.95mm"
  rect 0.9x0.8 smd: 1(-1,0.95) 2(-1,-0.95) 3(1,0)
  silkscreen extent -1.12,-1.46 0.65,2.02, body extent -0.65,-1.46 0.65,1.46, height 1.11
ONSC-SOT-223-4-318E-04_V [mm] "SOT223, 4-Leads, Body 6.5x3.5mm, Pitch 2.3mm"
  rect 2x1.5 smd: 1(-3.15,2.3) 2(-3.15,0) 3(-3.15,-2.3)
  rect 2x3.8 smd: 4(3.15,0)
  silkscreen extent -3.27,-3.25 1.75,3.72, body extent -1.75,-3.25 1.75,3.25, height 1.75
PNSC-DIP4(SMT)_V [mm] "DIP(SMT), 4-Leads, Body 6.4x4.78mm, Pitch 2.54mm"
  rect 2x1.6 smd: 1(-4.15,1.27) 2(-4.15,-1.27) 3(4.15,-1.27) 4(4.15,1.27)
  silkscreen extent -4.31,-2.42 2.95,2.74, body extent -3.22,-2.41 3.22,2.41, height 3
PW0016A_L [mm] "SOP, 16-Leads, Body 5.1x4.5mm, Pitch 0.65mm, IPC High Density"
  rrect25% 1.2x0.4 smd: 1(-2.85,2.275) 2(-2.85,1.625) 3(-2.85,0.975) 4(-2.85,0.325) 5(-2.85,-0.325) 6(-2.85,-0.975) 7(-2.85,-1.625) 8(-2.85,-2.275) 9(2.85,-2.275) 10(2.85,-1.625) 11(2.85,-0.975) 12(2.85,-0.325) 13(2.85,0.325) 14(2.85,0.975) 15(2.85,1.625) 16(2.85,2.275)
  silkscreen extent -2.97,-2.55 1.85,3.15, body extent -3.21,-2.5 3.21,2.5, height 1
RESC0603(1608)_L [mm]
  rect 0.7x0.9 smd: 1(-0.7,0) 2(0.7,0)
  silkscreen extent -0.05,-0.35 0.05,0.35, body extent -0.85,-0.47 0.85,0.47, height 0.6
RESC0603(1608)_M [mm] "Chip Resistor, Body 1.6x0.8mm, IPC Low Density"
  rect 1.1x1.1 smd: 1(-0.9,0) 2(0.9,0)
  silkscreen extent -0.05,-0.45 0.05,0.45, body extent -0.85,-0.47 0.85,0.47, height 0.6
RESC0603(1608)_N [mm] "Chip Resistor, Body 1.6x0.8mm, IPC Medium Density"
  rect 0.9x1 smd: 1(-0.8,0) 2(0.8,0)
  silkscreen extent -0.05,-0.4 0.05,0.4, body extent -0.85,-0.47 0.85,0.47, height 0.6
RESC1210(3225)_L [mm] "Chip Resistor, Body 3.2x2.5mm, IPC High Density"
  rect 0.95x2.6 smd: 1(-1.4,0) 2(1.4,0)
  silkscreen extent -0.55,-1.2 0.55,1.2, body extent -1.7,-1.35 1.7,1.35, height 0.71
StandardSMDBTN [mil] "https://lcsc.com/product-detail/Tactile-Switches_BRIGHT-TSA063G50-250_C294565.html"
  rect 90x80 smd: 1(-160,90) 2(160,90) 3(-160,-90) 4(160,-90)
  silkscreen extent -160,-125 160,125, body extent -120,-120 120,120, height 205
STM-TO252-3_A_V [mm] "D-PAK, 3-Leads, Body 6.20x6.60mm, Pitch 2.28mm"
  rect 2.8x1.5 smd: 1(-3.95,2.28) 3(-3.95,-2.28)
  rect 6.1x6.3 smd: 4(2.3,0)
  silkscreen extent -4.08,-3.3 -1.15,3.7, body extent -3.37,-3.3 6.35,3.3, height 2.43
TE_DTM1312PA12PBR008 [mm]
  rect 2.056x2.056 hole 1.294: A1(-17.025,-1.96) B1(17.025,4.39)
  round 2.056 hole 1.294: A2(-21.215,-1.96) A3(-25.405,-1.96) A4(-29.595,-1.96) A5(-33.785,-1.96) A6(-37.975,-1.96) A7(-37.975,4.39) A8(-33.785,4.39) A9(-29.595,4.39) A10(-25.405,4.39) A11(-21.215,4.39) A12(-17.025,4.39) B2(21.215,4.39) B3(25.405,4.39) B4(29.595,4.39) B5(33.785,4.39) B6(37.975,4.39) B7(37.975,-1.96) B8(33.785,-1.96) B9(29.595,-1.96) B10(25.405,-1.96) B11(21.215,-1.96) B12(17.025,-1.96)
  round 5.08 hole 3.175: N/C(0,0)
  silkscreen extent -50.5,-32.52 50.5,6.39, body extent -54.15,-30.61 54.15,6.3, height 25.78
TestPointSMD [mil]
  round 45 smd: 1(0,0)
  silkscreen extent -45,-45 45,45
VG039NCHXTB472 [mil] "VG039NCHXTB472"
  rect 50x50 smd: 1(40,-70) 3(-40,-70)
  rect 65x60 smd: 2(0,60)
  silkscreen extent -90,-38 90,69, body extent -60,-75 60,75, height 50
VISH-DO-214AC-2_M [mm] "DO-214AC, 2-Leads, Body 4.5x2.79mm, IPC Low Density"
  rect 2.8x1.7 smd: 1(-1.625,0) 2(1.625,0)
  silkscreen extent -3.7,-1.4 2.25,1.4, body extent -2.25,-1.39 2.25,1.4, height 2.29
VISH-DO-214AC-2_N [mm] "DO-214AC, 2-Leads, Body 4.5x2.79mm, IPC Medium Density"
  rect 2.4x1.55 smd: 1(-1.525,0) 2(1.525,0)
  silkscreen extent -3.4,-1.4 2.25,1.4, body extent -2.25,-1.4 2.25,1.39, height 2.29